# KiCad board output.Panel_R0.5.1_300x300_2layer_step1_Modified.kicad_pcb (continued)
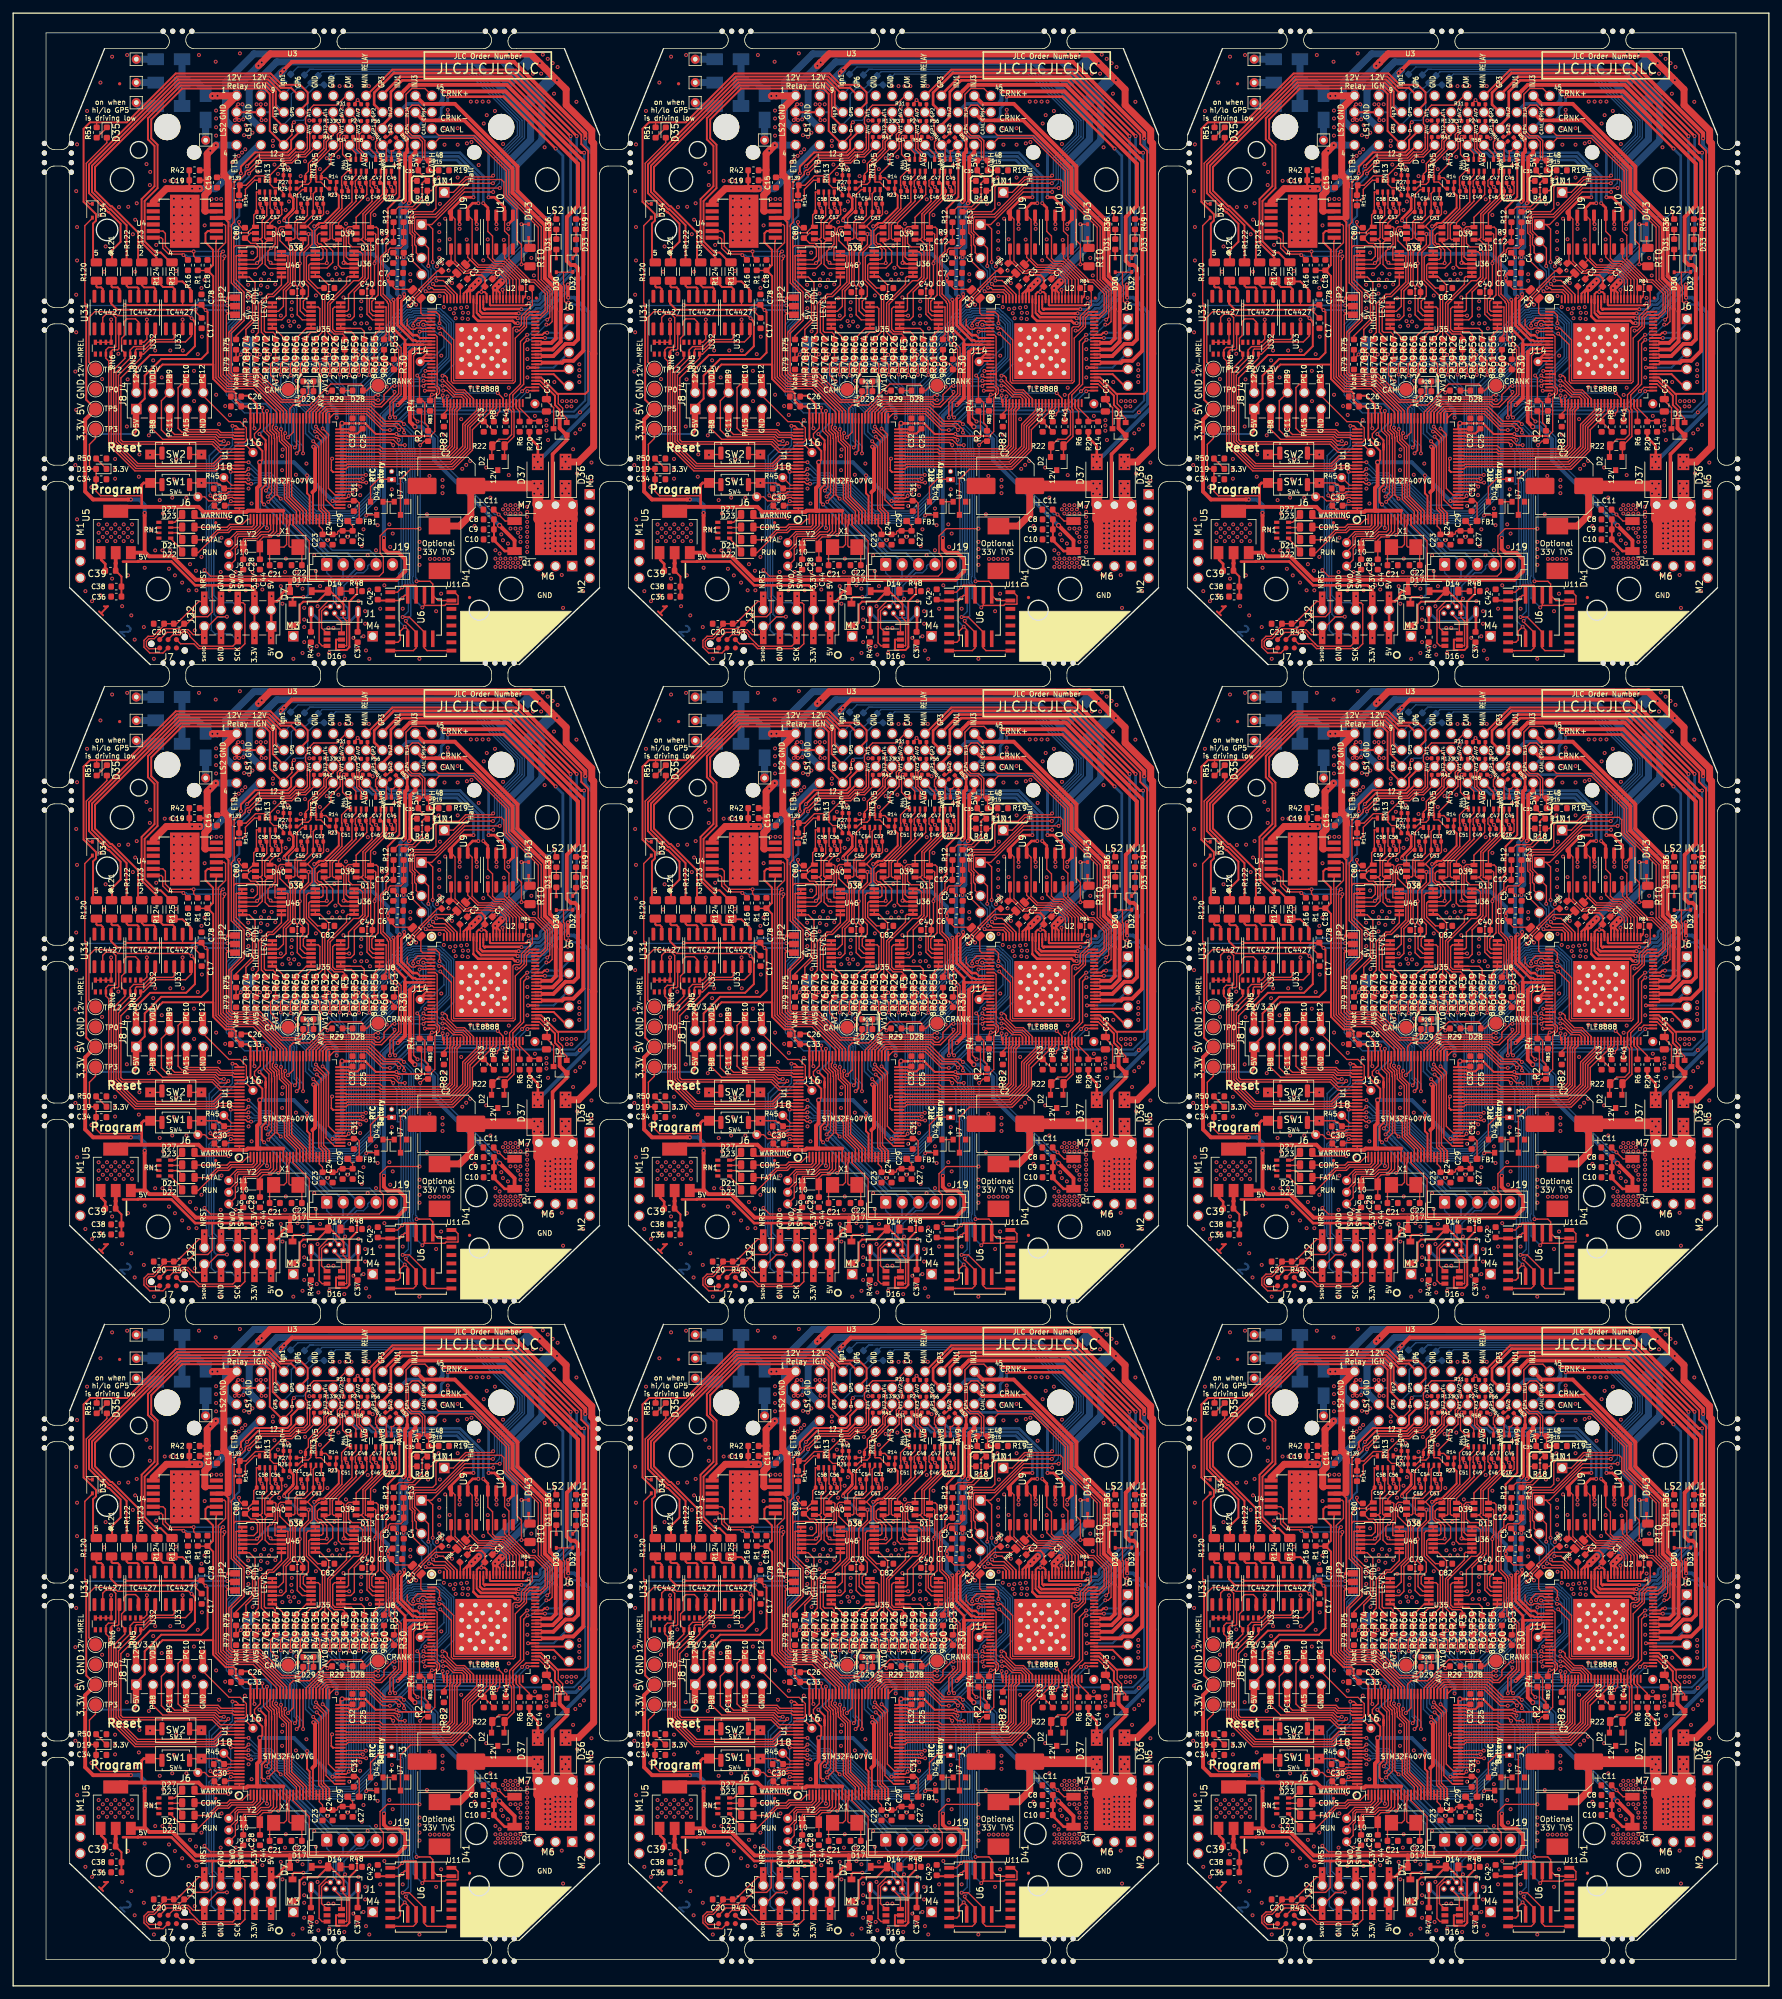
[diagram p0: board, top side]
## Placement (name value [footprint] x y rotation side) (continued)
U8#7  MCP6004  [TSSOP-14_4.4x5mm_P0.65mm]  222.77 60.01 180 top
U8#8  MCP6004  [TSSOP-14_4.4x5mm_P0.65mm]  137.77 60.01 180 top
U8#9  MCP6004  [TSSOP-14_4.4x5mm_P0.65mm]  52.77 60.01 180 top
U9  VNLD5090  [SO-8_3.9x4.9mm_P1.27mm]  68.5 266.7 90 top
U9#2  VNLD5090  [SO-8_3.9x4.9mm_P1.27mm]  153.5 266.7 90 top
U9#3  VNLD5090  [SO-8_3.9x4.9mm_P1.27mm]  238.5 266.7 90 top
U9#4  VNLD5090  [SO-8_3.9x4.9mm_P1.27mm]  68.5 169.7 90 top
U9#5  VNLD5090  [SO-8_3.9x4.9mm_P1.27mm]  238.5 169.7 90 top
U9#6  VNLD5090  [SO-8_3.9x4.9mm_P1.27mm]  153.5 169.7 90 top
U9#7  VNLD5090  [SO-8_3.9x4.9mm_P1.27mm]  68.5 72.7 90 top
U9#8  VNLD5090  [SO-8_3.9x4.9mm_P1.27mm]  238.5 72.7 90 top
U9#9  VNLD5090  [SO-8_3.9x4.9mm_P1.27mm]  153.5 72.7 90 top
U10  VNLD5090  [SO-8_3.9x4.9mm_P1.27mm]  74.1 266.7 90 top
U10#2  VNLD5090  [SO-8_3.9x4.9mm_P1.27mm]  159.1 266.7 90 top
U10#3  VNLD5090  [SO-8_3.9x4.9mm_P1.27mm]  244.1 266.7 90 top
U10#4  VNLD5090  [SO-8_3.9x4.9mm_P1.27mm]  74.1 169.7 90 top
U10#5  VNLD5090  [SO-8_3.9x4.9mm_P1.27mm]  244.1 169.7 90 top
U10#6  VNLD5090  [SO-8_3.9x4.9mm_P1.27mm]  159.1 169.7 90 top
U10#7  VNLD5090  [SO-8_3.9x4.9mm_P1.27mm]  74.1 72.7 90 top
U10#8  VNLD5090  [SO-8_3.9x4.9mm_P1.27mm]  244.1 72.7 90 top
U10#9  VNLD5090  [SO-8_3.9x4.9mm_P1.27mm]  159.1 72.7 90 top
U11  IS25LP256D-xM  [SOIC-16W_7.5x10.3mm_P1.27mm]  62 207.5 0 top
U11#2  IS25LP256D-xM  [SOIC-16W_7.5x10.3mm_P1.27mm]  147 207.5 0 top
U11#3  IS25LP256D-xM  [SOIC-16W_7.5x10.3mm_P1.27mm]  232 207.5 0 top
U11#4  IS25LP256D-xM  [SOIC-16W_7.5x10.3mm_P1.27mm]  147 110.5 0 top
U11#5  IS25LP256D-xM  [SOIC-16W_7.5x10.3mm_P1.27mm]  232 110.5 0 top
U11#6  IS25LP256D-xM  [SOIC-16W_7.5x10.3mm_P1.27mm]  62 110.5 0 top
U11#7  IS25LP256D-xM  [SOIC-16W_7.5x10.3mm_P1.27mm]  232 13.5 0 top
U11#8  IS25LP256D-xM  [SOIC-16W_7.5x10.3mm_P1.27mm]  147 13.5 0 top
U11#9  IS25LP256D-xM  [SOIC-16W_7.5x10.3mm_P1.27mm]  62 13.5 0 top
U31  MIC4427  [SOIC-8_3.9x4.9mm_P1.27mm]  14.26 254.47 90 top
U31#2  MIC4427  [SOIC-8_3.9x4.9mm_P1.27mm]  99.26 254.47 90 top
U31#3  MIC4427  [SOIC-8_3.9x4.9mm_P1.27mm]  184.26 254.47 90 top
U31#4  MIC4427  [SOIC-8_3.9x4.9mm_P1.27mm]  14.26 157.47 90 top
U31#5  MIC4427  [SOIC-8_3.9x4.9mm_P1.27mm]  184.26 157.47 90 top
U31#6  MIC4427  [SOIC-8_3.9x4.9mm_P1.27mm]  99.26 157.47 90 top
U31#7  MIC4427  [SOIC-8_3.9x4.9mm_P1.27mm]  184.26 60.47 90 top
U31#8  MIC4427  [SOIC-8_3.9x4.9mm_P1.27mm]  99.26 60.47 90 top
U31#9  MIC4427  [SOIC-8_3.9x4.9mm_P1.27mm]  14.26 60.47 90 top
U32  MIC4427  [SOIC-8_3.9x4.9mm_P1.27mm]  19.7 254.47 90 top
U32#2  MIC4427  [SOIC-8_3.9x4.9mm_P1.27mm]  104.7 254.47 90 top
U32#3  MIC4427  [SOIC-8_3.9x4.9mm_P1.27mm]  189.7 254.47 90 top
U32#4  MIC4427  [SOIC-8_3.9x4.9mm_P1.27mm]  189.7 157.47 90 top
U32#5  MIC4427  [SOIC-8_3.9x4.9mm_P1.27mm]  104.7 157.47 90 top
U32#6  MIC4427  [SOIC-8_3.9x4.9mm_P1.27mm]  19.7 157.47 90 top
U32#7  MIC4427  [SOIC-8_3.9x4.9mm_P1.27mm]  189.7 60.47 90 top
U32#8  MIC4427  [SOIC-8_3.9x4.9mm_P1.27mm]  104.7 60.47 90 top
U32#9  MIC4427  [SOIC-8_3.9x4.9mm_P1.27mm]  19.7 60.47 90 top
U33  MIC4427  [SOIC-8_3.9x4.9mm_P1.27mm]  25.13 254.47 90 top
U33#2  MIC4427  [SOIC-8_3.9x4.9mm_P1.27mm]  110.13 254.47 90 top
U33#3  MIC4427  [SOIC-8_3.9x4.9mm_P1.27mm]  195.13 254.47 90 top
U33#4  MIC4427  [SOIC-8_3.9x4.9mm_P1.27mm]  195.13 157.47 90 top
U33#5  MIC4427  [SOIC-8_3.9x4.9mm_P1.27mm]  110.13 157.47 90 top
U33#6  MIC4427  [SOIC-8_3.9x4.9mm_P1.27mm]  25.13 157.47 90 top
U33#7  MIC4427  [SOIC-8_3.9x4.9mm_P1.27mm]  195.13 60.47 90 top
U33#8  MIC4427  [SOIC-8_3.9x4.9mm_P1.27mm]  110.13 60.47 90 top
U33#9  MIC4427  [SOIC-8_3.9x4.9mm_P1.27mm]  25.13 60.47 90 top
U35  MCP6004  [TSSOP-14_4.4x5mm_P0.65mm]  42.36 254.01 180 top
U35#2  MCP6004  [TSSOP-14_4.4x5mm_P0.65mm]  127.36 254.01 180 top
U35#3  MCP6004  [TSSOP-14_4.4x5mm_P0.65mm]  212.36 254.01 180 top
U35#4  MCP6004  [TSSOP-14_4.4x5mm_P0.65mm]  42.36 157.01 180 top
U35#5  MCP6004  [TSSOP-14_4.4x5mm_P0.65mm]  212.36 157.01 180 top
U35#6  MCP6004  [TSSOP-14_4.4x5mm_P0.65mm]  127.36 157.01 180 top
U35#7  MCP6004  [TSSOP-14_4.4x5mm_P0.65mm]  42.36 60.01 180 top
U35#8  MCP6004  [TSSOP-14_4.4x5mm_P0.65mm]  212.36 60.01 180 top
U35#9  MCP6004  [TSSOP-14_4.4x5mm_P0.65mm]  127.36 60.01 180 top
U36  MCP6004  [TSSOP-14_4.4x5mm_P0.65mm]  48.89 261.88 0 top
U36#2  MCP6004  [TSSOP-14_4.4x5mm_P0.65mm]  133.89 261.88 0 top
U36#3  MCP6004  [TSSOP-14_4.4x5mm_P0.65mm]  218.89 261.88 0 top
U36#4  MCP6004  [TSSOP-14_4.4x5mm_P0.65mm]  133.89 164.88 0 top
U36#5  MCP6004  [TSSOP-14_4.4x5mm_P0.65mm]  218.89 164.88 0 top
U36#6  MCP6004  [TSSOP-14_4.4x5mm_P0.65mm]  48.89 164.88 0 top
U36#7  MCP6004  [TSSOP-14_4.4x5mm_P0.65mm]  218.89 67.88 0 top
U36#8  MCP6004  [TSSOP-14_4.4x5mm_P0.65mm]  133.89 67.88 0 top
U36#9  MCP6004  [TSSOP-14_4.4x5mm_P0.65mm]  48.89 67.88 0 top
U46  MCP6004  [TSSOP-14_4.4x5mm_P0.65mm]  37.85 261.82 0 top
U46#2  MCP6004  [TSSOP-14_4.4x5mm_P0.65mm]  122.85 261.82 0 top
U46#3  MCP6004  [TSSOP-14_4.4x5mm_P0.65mm]  207.85 261.82 0 top
U46#4  MCP6004  [TSSOP-14_4.4x5mm_P0.65mm]  122.85 164.82 0 top
U46#5  MCP6004  [TSSOP-14_4.4x5mm_P0.65mm]  207.85 164.82 0 top
U46#6  MCP6004  [TSSOP-14_4.4x5mm_P0.65mm]  37.85 164.82 0 top
U46#7  MCP6004  [TSSOP-14_4.4x5mm_P0.65mm]  207.85 67.82 0 top
U46#8  MCP6004  [TSSOP-14_4.4x5mm_P0.65mm]  122.85 67.82 0 top
U46#9  MCP6004  [TSSOP-14_4.4x5mm_P0.65mm]  37.85 67.82 0 top
X1  8MHz 20pF  [Crystal_SMD_5032-2Pin_5.0x3.2mm]  41.47 218.8 180 top
X1#2  8MHz 20pF  [Crystal_SMD_5032-2Pin_5.0x3.2mm]  126.47 218.8 180 top
X1#3  8MHz 20pF  [Crystal_SMD_5032-2Pin_5.0x3.2mm]  211.47 218.8 180 top
X1#4  8MHz 20pF  [Crystal_SMD_5032-2Pin_5.0x3.2mm]  211.47 121.8 180 top
X1#5  8MHz 20pF  [Crystal_SMD_5032-2Pin_5.0x3.2mm]  126.47 121.8 180 top
X1#6  8MHz 20pF  [Crystal_SMD_5032-2Pin_5.0x3.2mm]  41.47 121.8 180 top
X1#7  8MHz 20pF  [Crystal_SMD_5032-2Pin_5.0x3.2mm]  211.47 24.8 180 top
X1#8  8MHz 20pF  [Crystal_SMD_5032-2Pin_5.0x3.2mm]  126.47 24.8 180 top
X1#9  8MHz 20pF  [Crystal_SMD_5032-2Pin_5.0x3.2mm]  41.47 24.8 180 top
Y2  32768 Hz  [Crystal_SMD_3215-2Pin_3.2x1.5mm]  36.26 218.9 180 top
Y2#2  32768 Hz  [Crystal_SMD_3215-2Pin_3.2x1.5mm]  121.26 218.9 180 top
Y2#3  32768 Hz  [Crystal_SMD_3215-2Pin_3.2x1.5mm]  206.26 218.9 180 top
Y2#4  32768 Hz  [Crystal_SMD_3215-2Pin_3.2x1.5mm]  206.26 121.9 180 top
Y2#5  32768 Hz  [Crystal_SMD_3215-2Pin_3.2x1.5mm]  121.26 121.9 180 top
Y2#6  32768 Hz  [Crystal_SMD_3215-2Pin_3.2x1.5mm]  36.26 121.9 180 top
Y2#7  32768 Hz  [Crystal_SMD_3215-2Pin_3.2x1.5mm]  206.26 24.9 180 top
Y2#8  32768 Hz  [Crystal_SMD_3215-2Pin_3.2x1.5mm]  121.26 24.9 180 top
Y2#9  32768 Hz  [Crystal_SMD_3215-2Pin_3.2x1.5mm]  36.26 24.9 180 top

## Footprints (pads in the part's own frame, mm; a bottom-side part is the same pattern mirrored in y, then rotated)
C_0402_1005Metric
  rrect 0.59x0.64 smd: 1(-0.485,0) 2(0.485,0)
C_0603_1608Metric
  rrect 0.875x0.95 smd: 1(-0.788,0) 2(0.788,0)
C_0805_2012Metric
  rrect 0.975x1.4 smd: 1(-0.938,0) 2(0.938,0)
CP_Elec_8x10.5
  rrect 4.4x2.5 smd: 1(-3.7,0) 2(3.7,0)
Crystal_SMD_3215-2Pin_3.2x1.5mm
  rect 1x1.8 smd: 1(1.25,0) 2(-1.25,0)
Crystal_SMD_5032-2Pin_5.0x3.2mm
  rect 2x2.4 smd: 1(-1.85,0) 2(1.85,0)
D_SMA
  rect 2.5x1.8 smd: 1(-2,0) 2(2,0)
D_SMC
  rect 2.5x3.3 smd: 1(-3.4,0) 2(3.4,0)
D_SOD-123
  rect 0.9x1.2 smd: 1(-1.65,0) 2(1.65,0)
D_SOD-323
  rect 0.6x0.45 smd: 1(-1.05,0) 2(1.05,0)
Fiducial_0.5mm_Mask1mm
  round 0.5 smd: (0,0)
holes
  round 0.8 hole 0.8 unplated: (0,4.376) (0,2.917) (0,1.459) (0,0)
holes#2
  round 0.8 hole 0.8 unplated: (0,0) (1.458,0) (2.917,0) (4.375,0)
holes#3
  round 0.8 hole 0.8 unplated: (-4.375,0) (-2.917,0) (-1.458,0) (0,0)
holes#4
  round 0.8 hole 0.8 unplated: (0,0) (0,-1.459) (0,-2.917) (0,-4.376)
Infineon_PG-DSO-12-11
  rect 1.95x1.16 smd: (-1.125,2.92) (-1.125,1.46) (-1.125,0) (-1.125,-1.46) (-1.125,-2.92) (1.125,2.92) (1.125,1.46) (1.125,0) (1.125,-1.46) (1.125,-2.92)
  rect 2x0.65 smd: 1(-4.8,2.5) 2(-4.8,1.5) 3(-4.8,0.5) 4(-4.8,-0.5) 5(-4.8,-1.5) 6(-4.8,-2.5) 7(4.8,-2.5) 8(4.8,-1.5) 9(4.8,-0.5) 10(4.8,0.5) 11(4.8,1.5) 12(4.8,2.5)
  rect 4.5x8.1 smd: 13(0,0)
JST_EH_B5B-EH-A_1x05_P2.50mm_Vertical
  rrect 1.7x1.95 hole 0.95: 1(0,0)
  oval 1.7x1.95 hole 0.95: 2(2.5,0) 3(5,0) 4(7.5,0) 5(10,0)
LED_0603_1608Metric
  rrect 0.875x0.95 smd: 1(-0.787,0) 2(0.787,0)
LED_0805_2012Metric
  rrect 0.975x1.4 smd: 1(-0.938,0) 2(0.938,0)
LQFP-100_14x14mm_P0.5mm
  rrect 1.6x0.3 smd: 1(-7.675,6) 2(-7.675,5.5) 3(-7.675,5) 4(-7.675,4.5) 5(-7.675,4) 6(-7.675,3.5) 7(-7.675,3) 8(-7.675,2.5) 9(-7.675,2) 10(-7.675,1.5) 11(-7.675,1) 12(-7.675,0.5) 13(-7.675,0) 14(-7.675,-0.5) 15(-7.675,-1) 16(-7.675,-1.5) 17(-7.675,-2) 18(-7.675,-2.5) 19(-7.675,-3) 20(-7.675,-3.5) 21(-7.675,-4) 22(-7.675,-4.5) 23(-7.675,-5) 24(-7.675,-5.5) 25(-7.675,-6) 51(7.675,-6) 52(7.675,-5.5) 53(7.675,-5) 54(7.675,-4.5) 55(7.675,-4) 56(7.675,-3.5) 57(7.675,-3) 58(7.675,-2.5) 59(7.675,-2) 60(7.675,-1.5) 61(7.675,-1) 62(7.675,-0.5) 63(7.675,0) 64(7.675,0.5) 65(7.675,1) 66(7.675,1.5) 67(7.675,2) 68(7.675,2.5) 69(7.675,3) 70(7.675,3.5) 71(7.675,4) 72(7.675,4.5) 73(7.675,5) 74(7.675,5.5) 75(7.675,6)
  rrect 0.3x1.6 smd: 26(-6,-7.675) 27(-5.5,-7.675) 28(-5,-7.675) 29(-4.5,-7.675) 30(-4,-7.675) 31(-3.5,-7.675) 32(-3,-7.675) 33(-2.5,-7.675) 34(-2,-7.675) 35(-1.5,-7.675) 36(-1,-7.675) 37(-0.5,-7.675) 38(0,-7.675) 39(0.5,-7.675) 40(1,-7.675) 41(1.5,-7.675) 42(2,-7.675) 43(2.5,-7.675) 44(3,-7.675) 45(3.5,-7.675) 46(4,-7.675) 47(4.5,-7.675) 48(5,-7.675) 49(5.5,-7.675) 50(6,-7.675) 76(6,7.675) 77(5.5,7.675) 78(5,7.675) 79(4.5,7.675) 80(4,7.675) 81(3.5,7.675) 82(3,7.675) 83(2.5,7.675) 84(2,7.675) 85(1.5,7.675) 86(1,7.675) 87(0.5,7.675) 88(0,7.675) 89(-0.5,7.675) 90(-1,7.675) 91(-1.5,7.675) 92(-2,7.675) 93(-2.5,7.675) 94(-3,7.675) 95(-3.5,7.675) 96(-4,7.675) 97(-4.5,7.675) 98(-5,7.675) 99(-5.5,7.675) 100(-6,7.675)
LQFP-100_14x14mm_P0.5mm_THERMAL
  rrect 1.25x0.3 smd: 1(-7.9,6) 2(-7.9,5.5) 3(-7.9,5) 4(-7.9,4.5) 5(-7.9,4) 6(-7.9,3.5) 7(-7.9,3) 8(-7.9,2.5) 9(-7.9,2) 10(-7.9,1.5) 11(-7.9,1) 12(-7.9,0.5) 13(-7.9,0) 14(-7.9,-0.5) 15(-7.9,-1) 16(-7.9,-1.5) 17(-7.9,-2) 18(-7.9,-2.5) 19(-7.9,-3) 20(-7.9,-3.5) 21(-7.9,-4) 22(-7.9,-4.5) 23(-7.9,-5) 24(-7.9,-5.5) 25(-7.9,-6) 51(7.9,-6) 52(7.9,-5.5) 53(7.9,-5) 54(7.9,-4.5) 55(7.9,-4) 56(7.9,-3.5) 57(7.9,-3) 58(7.9,-2.5) 59(7.9,-2) 60(7.9,-1.5) 61(7.9,-1) 62(7.9,-0.5) 63(7.9,0) 64(7.9,0.5) 65(7.9,1) 66(7.9,1.5) 67(7.9,2) 68(7.9,2.5) 69(7.9,3) 70(7.9,3.5) 71(7.9,4) 72(7.9,4.5) 73(7.9,5) 74(7.9,5.5) 75(7.9,6)
  rrect 0.3x1.25 smd: 26(-6,-7.9) 27(-5.5,-7.9) 28(-5,-7.9) 29(-4.5,-7.9) 30(-4,-7.9) 31(-3.5,-7.9) 32(-3,-7.9) 33(-2.5,-7.9) 34(-2,-7.9) 35(-1.5,-7.9) 36(-1,-7.9) 37(-0.5,-7.9) 38(0,-7.9) 39(0.5,-7.9) 40(1,-7.9) 41(1.5,-7.9) 42(2,-7.9) 43(2.5,-7.9) 44(3,-7.9) 45(3.5,-7.9) 46(4,-7.9) 47(4.5,-7.9) 48(5,-7.9) 49(5.5,-7.9) 50(6,-7.9) 76(6,7.9) 77(5.5,7.9) 78(5,7.9) 79(4.5,7.9) 80(4,7.9) 81(3.5,7.9) 82(3,7.9) 83(2.5,7.9) 84(2,7.9) 85(1.5,7.9) 86(1,7.9) 87(0.5,7.9) 88(0,7.9) 89(-0.5,7.9) 90(-1,7.9) 91(-1.5,7.9) 92(-2,7.9) 93(-2.5,7.9) 94(-3,7.9) 95(-3.5,7.9) 96(-4,7.9) 97(-4.5,7.9) 98(-5,7.9) 99(-5.5,7.9) 100(-6,7.9)
  round 1 hole 0.7: 101(-3.302,3.302) 101(-3.302,1.016) 101(-3.302,-1.27) 101(-3.302,-3.302) 101(-2.2,0) 101(-2.032,2.032) 101(-2.032,-2.032) 101(-1.2,3.3) 101(-1.2,-3.302) 101(-0.986,1.011) 101(-0.897,-0.968) 101(-0.1,2.1) 101(0,-2.25) 101(0.17,0.023) 101(1,3.3) 101(1.125,1.074) 101(1.2,-3.35) 101(1.29,-1.107) 101(2.2,2.2) 101(2.2,0) 101(2.2,-2.25) 101(3.2,-1.4) 101(3.3,1.1) 101(3.302,3.302) 101(3.302,-3.302)
  rect 8.5x8.5 smd: 101(0,0)
  rect 8.5x8.5 smd far side: 101(0,0)
Molex_48_MRE
  round 4 hole 4: (-10.511,-4.753) (40.289,-4.753)
  round 2.2 hole 2.2: (-6.411,-8.603) (36.189,-8.603)
  round 1.6 hole 1.15: 1(0.039,-0.003) 2(0.039,-2.503) 3(0.039,-5.003) 4(0.039,-7.503) 5(3.739,-0.003) 6(3.739,-2.503) 7(3.739,-5.003) 8(3.739,-7.503) 9(7.239,-0.003) 10(7.239,-2.503) 11(7.239,-5.003) 12(7.239,-7.503) 13(9.739,-0.003) 14(9.739,-2.503) 15(9.739,-5.003) 16(9.739,-7.503) 17(12.239,-0.003) 18(12.239,-2.503) 19(12.239,-5.003) 20(12.239,-7.503) 21(14.739,-0.003) 22(14.739,-2.503) 23(14.739,-5.003) 24(14.739,-7.503) 25(17.239,-0.003) 26(17.239,-2.503) 27(17.239,-5.003) 28(17.239,-7.503) 29(19.739,-0.003) 30(19.739,-2.503) 31(19.739,-5.003) 32(19.739,-7.503) 33(22.239,-0.003) 34(22.239,-2.503) 35(22.239,-5.003) 36(22.239,-7.503) 37(24.739,-0.003) 38(24.739,-2.503) 39(24.739,-5.003) 40(24.739,-7.503) 41(27.239,-0.003) 42(27.239,-2.503) 43(27.239,-5.003) 44(27.239,-7.503) 45(29.739,-0.003) 46(29.739,-2.503) 47(29.739,-5.003) 48(29.739,-7.503) J52(28.169,-22.121) J53(28.169,-24.661) J54(28.169,-27.201) J62(50.59,-36.474) J63(50.59,-39.014) J64(50.59,-41.554) J65(50.59,-44.094) J202(5.304,-78.153) J203(2.764,-80.693) J204(2.764,-78.153) J205(0.224,-80.693) J206(0.224,-78.153) J207(-2.316,-80.693) J208(-2.316,-78.153) J209(-4.856,-80.693) J210(-4.856,-78.153) J802(-15.202,-45.11) J803(-12.662,-47.65) J804(-12.662,-45.11) J805(-10.122,-47.65) J806(-10.122,-45.11) J807(-7.582,-47.65) J808(-7.582,-45.11) J809(-5.042,-47.65) J810(-5.042,-45.11) M12(-23.724,-70.764) M13(-23.724,-73.304) M22(53.746,-70.764) M23(53.746,-73.304) M52(53.746,-63.144) M53(53.746,-65.684) M62(48.539,-71.526) M63(45.999,-71.526) M72(48.539,-62.255) M73(45.999,-62.255)
  round 1.4 hole 0.7: J6(-5.842,-60.985) J9(-1.143,-71.526) J10(-1.143,-69.748) J11(-1.143,-67.97) J14(27.965,-40.434) J16(2.54,-54.254) J18(-1.905,-58.064)
  rect 1.3x0.8 hole 0.5: J31(23.622,-58.369)
  round 1.3 hole 0.5: J32(23.622,-57.125)
  rect 1.6x1.6 hole 1.15: J51(28.169,-19.581) J61(50.59,-33.934) J201(5.304,-80.693) J801(-15.202,-47.65) LIN1(31.623,-14.681) M3(8.661,-82.194) M4(20.726,-82.194) M11(-23.724,-68.224) M21(53.746,-68.224) M51(53.746,-60.604) M61(51.079,-71.526) M71(51.079,-62.255)
Net-Tie_2_8.5mil
  round 0.216 smd: 1(-0.216,0) 2(0.216,0)
NetTie-2_SMD_Pad0.5mm
  round 0.5 smd: 1(-0.5,0) 2(0.5,0)
Pin_D0.7mm_L6.5mm_W1.8mm_FlatFork
  round 1.4 hole 0.7: 1(0,0)
PinHeader_2x05_P2.54mm_Vertical_SMD
  rect 3.15x1 smd: 1(-2.525,5.08) 2(2.525,5.08) 3(-2.525,2.54) 4(2.525,2.54) 5(-2.525,0) 6(2.525,0) 7(-2.525,-2.54) 8(2.525,-2.54) 9(-2.525,-5.08) 10(2.525,-5.08)
PinSocket_2x05_P2.54mm_Vertical_SMD
  rect 3x1 smd: 1(2.52,5.08) 2(-2.52,5.08) 3(2.52,2.54) 4(-2.52,2.54) 5(2.52,0) 6(-2.52,0) 7(2.52,-2.54) 8(-2.52,-2.54) 9(2.52,-5.08) 10(-2.52,-5.08)
R_0402_1005Metric
  rrect 0.59x0.64 smd: 1(-0.485,0) 2(0.485,0)
R_0603_1608Metric
  rrect 0.875x0.95 smd: 1(-0.787,0) 2(0.787,0)
R_0603_1608Metric_Pad1.05x0.95mm_HandSolder
  rrect 1.05x0.95 smd: 1(-0.875,0) 2(0.875,0)
R_0805_2012Metric
  rrect 0.975x1.4 smd: 1(-0.938,0) 2(0.938,0)
R_1206_3216Metric
  rrect 1.25x1.75 smd: 1(-1.4,0) 2(1.4,0)
R_Array_Convex_4x0603
  rect 0.8x0.5 smd: 1(-0.9,1.2) 4(-0.9,-1.2) 5(0.9,-1.2) 8(0.9,1.2)
  rect 0.8x0.4 smd: 2(-0.9,0.4) 3(-0.9,-0.4) 6(0.9,-0.4) 7(0.9,0.4)
SO-8_3.9x4.9mm_P1.27mm
  rrect 1.75x0.6 smd: 1(-2.575,1.905) 2(-2.575,0.635) 3(-2.575,-0.635) 4(-2.575,-1.905) 5(2.575,-1.905) 6(2.575,-0.635) 7(2.575,0.635) 8(2.575,1.905)
SO-8_5.3x6.2mm_P1.27mm-150+208
  rect 2.54x0.55 smd: 1(-3.302,1.905) 2(-3.302,0.635) 3(-3.302,-0.635) 4(-3.302,-1.905) 5(3.302,-1.905) 6(3.302,-0.635) 7(3.302,0.635) 8(3.302,1.905)
SOIC-8_3.9x4.9mm_P1.27mm
  rrect 1.95x0.6 smd: 1(-2.475,1.905) 2(-2.475,0.635) 3(-2.475,-0.635) 4(-2.475,-1.905) 5(2.475,-1.905) 6(2.475,-0.635) 7(2.475,0.635) 8(2.475,1.905)
SOIC-16W_7.5x10.3mm_P1.27mm
  rect 1.5x0.6 smd: 1(-4.65,4.445) 2(-4.65,3.175) 3(-4.65,1.905) 4(-4.65,0.635) 5(-4.65,-0.635) 6(-4.65,-1.905) 7(-4.65,-3.175) 8(-4.65,-4.445) 9(4.65,-4.445) 10(4.65,-3.175) 11(4.65,-1.905) 12(4.65,-0.635) 13(4.65,0.635) 14(4.65,1.905) 15(4.65,3.175) 16(4.65,4.445)
SolderJumper-3_P1.3mm_Open_Pad1.0x1.5mm
  rect 1x1.5 smd: 1(-1.3,0) 2(0,0) 3(1.3,0)
SOT-23
  rect 0.9x0.8 smd: 1(-1,0.95) 2(-1,-0.95) 3(1,0)
SOT-23-6
  rect 1.06x0.65 smd: 1(-1.1,0.95) 2(-1.1,0) 3(-1.1,-0.95) 4(1.1,-0.95) 5(1.1,0) 6(1.1,0.95)
SOT-223-3_TabPin2
  rect 2x1.5 smd: 1(-3.15,2.3) 2(-3.15,0) 3(-3.15,-2.3)
  rect 2x3.8 smd: 2(3.15,0)
SW_Push_SPST_NO_Alps_SKRK
  rrect 0.8x2 smd: 1(-2.1,0) 2(2.1,0)
SW_SPST_CK_RS282G05A3
  rect 1.5x1.5 smd: 1(-3.9,0) 2(3.9,0)
Tag-Connect_TC2030-IDC-NL_2x03_P1.27mm_Vertical
  round 0.991 hole 0.991 unplated: (-2.54,0) (2.54,1.016) (2.54,-1.016)
  round 0.787 smd: 1(-1.27,-0.635) 2(-1.27,0.635) 3(0,-0.635) 4(0,0.635) 5(1.27,-0.635) 6(1.27,0.635)
TestPoint_Pad_D2.0mm
  round 2 smd: 1(0,0)
TO-252-2
  rect 3.05x2.75 smd: (0.425,1.525) (0.425,-1.525) (3.775,1.525) (3.775,-1.525)
  rect 2.2x1.2 smd: 1(-4.2,2.28) 3(-4.2,-2.28)
  rect 6.4x5.8 smd: 2(2.1,0)
TSSOP-14_4.4x5mm_P0.65mm
  rect 1.45x0.45 smd: 1(-2.95,1.95) 2(-2.95,1.3) 3(-2.95,0.65) 4(-2.95,0) 5(-2.95,-0.65) 6(-2.95,-1.3) 7(-2.95,-1.95) 8(2.95,-1.95) 9(2.95,-1.3) 10(2.95,-0.65) 11(2.95,0) 12(2.95,0.65) 13(2.95,1.3) 14(2.95,1.95)
USB_Micro-B_Wuerth_614105150721_Vertical
  rect 0.84x0.84 hole 0.44: 1(0,0)
  round 0.84 hole 0.44: 2(0.65,-1) 3(1.3,0) 4(1.95,-1) 5(2.6,0)
  oval 0.85x1.85 hole 0.35x1.35: 6(-2.275,-0.22) 6(4.875,-0.22)

## Nets
/5V: C6.1 C6#2.1 C6#3.1 C6#4.1 C6#5.1 C6#6.1 C6#7.1 C6#8.1 C6#9.1 C7.1 C7#2.1 C7#3.1 C7#4.1 C7#5.1 C7#6.1 C7#7.1 C7#8.1 C7#9.1 C40.1 C40#2.1 C40#3.1 C40#4.1 C40#5.1 C40#6.1 C40#7.1 C40#8.1 C40#9.1 C41.1 C41#2.1 C41#3.1 C41#4.1 C41#5.1 C41#6.1 C41#7.1 C41#8.1 C41#9.1 C78.1 C78#2.1 C78#3.1 C78#4.1 C78#5.1 C78#6.1 C78#7.1 C78#8.1 C78#9.1 C79.1 C79#2.1 C79#3.1 C79#4.1 C79#5.1 C79#6.1 C79#7.1 C79#8.1 C79#9.1 C80.1 C80#2.1 C80#3.1 C80#4.1 C80#5.1 C80#6.1 C80#7.1 C80#8.1 C80#9.1 C82.1 C82#2.1 C82#3.1 C82#4.1 C82#5.1 C82#6.1 C82#7.1 C82#8.1 C82#9.1 D13.5 D13#2.5 D13#3.5 D13#4.5 D13#5.5 D13#6.5 D13#7.5 D13#8.5 D13#9.5 D16.5 D16#2.5 D16#3.5 D16#4.5 D16#5.5 D16#6.5 D16#7.5 D16#8.5 D16#9.5 D17.1 D17#2.1 D17#3.1 D17#4.1 D17#5.1 D17#6.1 D17#7.1 D17#8.1 D17#9.1 D29.2 D29#2.2 D29#3.2 D29#4.2 D29#5.2 D29#6.2 D29#7.2 D29#8.2 D29#9.2 D30.2 D30#2.2 D30#3.2 D30#4.2 D30#5.2 D30#6.2 D30#7.2 D30#8.2 D30#9.2 D32.2 D32#2.2 D32#3.2 D32#4.2 D32#5.2 D32#6.2 D32#7.2 D32#8.2 D32#9.2 D34.2 D34#2.2 D34#3.2 D34#4.2 D34#5.2 D34#6.2 D34#7.2 D34#8.2 D34#9.2 D38.5 D38#2.5 D38#3.5 D38#4.5 D38#5.5 D38#6.5 D38#7.5 D38#8.5 D38#9.5 D39.5 D39#2.5 D39#3.5 D39#4.5 D39#5.5 D39#6.5 D39#7.5 D39#8.5 D39#9.5 D40.5 D40#2.5 D40#3.5 D40#4.5 D40#5.5 D40#6.5 D40#7.5 D40#8.5 D40#9.5 J2.1 J2.2 J2#2.1 J2#2.2 J2#3.1 J2#3.2 J2#4.1 J2#4.2 J2#5.1 J2#5.2 J2#6.1 J2#6.2 J2#7.1 J2#7.2 J2#8.1 J2#8.2 J2#9.1 J2#9.2 J4.1 J4#2.1 J4#3.1 J4#4.1 J4#5.1 J4#6.1 J4#7.1 J4#8.1 J4#9.1 JP2.1 JP2#2.1 JP2#3.1 JP2#4.1 JP2#5.1 JP2#6.1 JP2#7.1 JP2#8.1 JP2#9.1 R3.2 R3#2.2 R3#3.2 R3#4.2 R3#5.2 R3#6.2 R3#7.2 R3#8.2 R3#9.2 R7.1 R7#2.1 R7#3.1 R7#4.1 R7#5.1 R7#6.1 R7#7.1 R7#8.1 R7#9.1 R11.2 R11#2.2 R11#3.2 R11#4.2 R11#5.2 R11#6.2 R11#7.2 R11#8.2 R11#9.2 R14.2 R14#2.2 R14#3.2 R14#4.2 R14#5.2 R14#6.2 R14#7.2 R14#8.2 R14#9.2 R23.2 R23#2.2 R23#3.2 R23#4.2 R23#5.2 R23#6.2 R23#7.2 R23#8.2 R23#9.2 R25.2 R25#2.2 R25#3.2 R25#4.2 R25#5.2 R25#6.2 R25#7.2 R25#8.2 R25#9.2 R27.2 R27#2.2 R27#3.2 R27#4.2 R27#5.2 R27#6.2 R27#7.2 R27#8.2 R27#9.2 R40.2 R40#2.2 R40#3.2 R40#4.2 R40#5.2 R40#6.2 R40#7.2 R40#8.2 R40#9.2 TP5.1 TP5#2.1 TP5#3.1 TP5#4.1 TP5#5.1 TP5#6.1 TP5#7.1 TP5#8.1 TP5#9.1 U2.11 U2.45 U2#2.11 U2#2.45 U2#3.11 U2#3.45 U2#4.11 U2#4.45 U2#5.11 U2#5.45 U2#6.11 U2#6.45 U2#7.11 U2#7.45 U2#8.11 U2#8.45 U2#9.11 U2#9.45 U3.J201 U3.J202 U3.J801 U3#2.J201 U3#2.J202 U3#2.J801 U3#3.J201 U3#3.J202 U3#3.J801 U3#4.J201 U3#4.J202 U3#4.J801 U3#5.J201 U3#5.J202 U3#5.J801 U3#6.J201 U3#6.J202 U3#6.J801 U3#7.J201 U3#7.J202 U3#7.J801 U3#8.J201 U3#8.J202 U3#8.J801 U3#9.J201 U3#9.J202 U3#9.J801 U5.3 U5#2.3 U5#3.3 U5#4.3 U5#5.3 U5#6.3 U5#7.3 U5#8.3 U5#9.3 U8.4 U8#2.4 U8#3.4 U8#4.4 U8#5.4 U8#6.4 U8#7.4 U8#8.4 U8#9.4 U32.6 U32#2.6 U32#3.6 U32#4.6 U32#5.6 U32#6.6 U32#7.6 U32#8.6 U32#9.6 U33.6 U33#2.6 U33#3.6 U33#4.6 U33#5.6 U33#6.6 U33#7.6 U33#8.6 U33#9.6 U35.4 U35#2.4 U35#3.4 U35#4.4 U35#5.4 U35#6.4 U35#7.4 U35#8.4 U35#9.4 U36.4 U36#2.4 U36#3.4 U36#4.4 U36#5.4 U36#6.4 U36#7.4 U36#8.4 U36#9.4 U46.4 U46#2.4 U46#3.4 U46#4.4 U46#5.4 U46#6.4 U46#7.4 U46#8.4 U46#9.4
/5V1: C4.1 C4#2.1 C4#3.1 C4#4.1 C4#5.1 C4#6.1 C4#7.1 C4#8.1 C4#9.1 R17.1 R17#2.1 R17#3.1 R17#4.1 R17#5.1 R17#6.1 R17#7.1 R17#8.1 R17#9.1 R18.1 R18#2.1 R18#3.1 R18#4.1 R18#5.1 R18#6.1 R18#7.1 R18#8.1 R18#9.1 U2.9 U2#2.9 U2#3.9 U2#4.9 U2#5.9 U2#6.9 U2#7.9 U2#8.9 U2#9.9 U3.44 U3#2.44 U3#3.44 U3#4.44 U3#5.44 U3#6.44 U3#7.44 U3#8.44 U3#9.44
/5V2: C5.1 C5#2.1 C5#3.1 C5#4.1 C5#5.1 C5#6.1 C5#7.1 C5#8.1 C5#9.1 U2.10 U2#2.10 U2#3.10 U2#4.10 U2#5.10 U2#6.10 U2#7.10 U2#8.10 U2#9.10 U3.39 U3#2.39 U3#3.39 U3#4.39 U3#5.39 U3#6.39 U3#7.39 U3#8.39 U3#9.39
/12V_KEY: D37.2 D37#2.2 D37#3.2 D37#4.2 D37#5.2 D37#6.2 D37#7.2 D37#8.2 D37#9.2 R20.2 R20#2.2 R20#3.2 R20#4.2 R20#5.2 R20#6.2 R20#7.2 R20#8.2 R20#9.2 U3.5 U3#2.5 U3#3.5 U3#4.5 U3#5.5 U3#6.5 U3#7.5 U3#8.5 U3#9.5
/12V_MREL: C15.1 C15#2.1 C15#3.1 C15#4.1 C15#5.1 C15#6.1 C15#7.1 C15#8.1 C15#9.1 D3.1 D3#2.1 D3#3.1 D3#4.1 D3#5.1 D3#6.1 D3#7.1 D3#8.1 D3#9.1 D4.1 D4#2.1 D4#3.1 D4#4.1 D4#5.1 D4#6.1 D4#7.1 D4#8.1 D4#9.1 D5.1 D5#2.1 D5#3.1 D5#4.1 D5#5.1 D5#6.1 D5#7.1 D5#8.1 D5#9.1 D6.1 D6#2.1 D6#3.1 D6#4.1 D6#5.1 D6#6.1 D6#7.1 D6#8.1 D6#9.1 D15.1 D15#2.1 D15#3.1 D15#4.1 D15#5.1 D15#6.1 D15#7.1 D15#8.1 D15#9.1 D20.1 D20#2.1 D20#3.1 D20#4.1 D20#5.1 D20#6.1 D20#7.1 D20#8.1 D20#9.1 D36.2 D36#2.2 D36#3.2 D36#4.2 D36#5.2 D36#6.2 D36#7.2 D36#8.2 D36#9.2 J4.2 J4#2.2 J4#3.2 J4#4.2 J4#5.2 J4#6.2 J4#7.2 J4#8.2 J4#9.2 JP2.3 JP2#2.3 JP2#3.3 JP2#4.3 JP2#5.3 JP2#6.3 JP2#7.3 JP2#8.3 JP2#9.3 R139.2 R139#2.2 R139#3.2 R139#4.2 R139#5.2 R139#6.2 R139#7.2 R139#8.2 R139#9.2 TP12.1 TP12#2.1 TP12#3.1 TP12#4.1 TP12#5.1 TP12#6.1 TP12#7.1 TP12#8.1 TP12#9.1 U3.1 U3.J802 U3#2.1 U3#2.J802 U3#3.1 U3#3.J802 U3#4.1 U3#4.J802 U3#5.1 U3#5.J802 U3#6.1 U3#6.J802 U3#7.1 U3#7.J802 U3#8.1 U3#8.J802 U3#9.1 U3#9.J802 U4.4 U4#2.4 U4#3.4 U4#4.4 U4#5.4 U4#6.4 U4#7.4 U4#8.4 U4#9.4
/12V_SAFE: C1.1 C1#2.1 C1#3.1 C1#4.1 C1#5.1 C1#6.1 C1#7.1 C1#8.1 C1#9.1 C2.1 C2#2.1 C2#3.1 C2#4.1 C2#5.1 C2#6.1 C2#7.1 C2#8.1 C2#9.1 C3.1 C3#2.1 C3#3.1 C3#4.1 C3#5.1 C3#6.1 C3#7.1 C3#8.1 C3#9.1 D1.1 D1#2.1 D1#3.1 D1#4.1 D1#5.1 D1#6.1 D1#7.1 D1#8.1 D1#9.1 D36.1 D36#2.1 D36#3.1 D36#4.1 D36#5.1 D36#6.1 D36#7.1 D36#8.1 D36#9.1 D37.1 D37#2.1 D37#3.1 D37#4.1 D37#5.1 D37#6.1 D37#7.1 D37#8.1 D37#9.1 D41.1 D41#2.1 D41#3.1 D41#4.1 D41#5.1 D41#6.1 D41#7.1 D41#8.1 D41#9.1 D43.2 D43#2.2 D43#3.2 D43#4.2 D43#5.2 D43#6.2 D43#7.2 D43#8.2 D43#9.2 Q1.2 Q1#2.2 Q1#3.2 Q1#4.2 Q1#5.2 Q1#6.2 Q1#7.2 Q1#8.2 Q1#9.2 U2.54 U2.87 U2.90 U2#2.54 U2#2.87 U2#2.90 U2#3.54 U2#3.87 U2#3.90 U2#4.54 U2#4.87 U2#4.90 U2#5.54 U2#5.87 U2#5.90 U2#6.54 U2#6.87 U2#6.90 U2#7.54 U2#7.87 U2#7.90 U2#8.54 U2#8.87 U2#8.90 U2#9.54 U2#9.87 U2#9.90 U3.M71 U3.M72 U3.M73 U3#2.M71 U3#2.M72 U3#2.M73 U3#3.M71 U3#3.M72 U3#3.M73 U3#4.M71 U3#4.M72 U3#4.M73 U3#5.M71 U3#5.M72 U3#5.M73 U3#6.M71 U3#6.M72 U3#6.M73 U3#7.M71 U3#7.M72 U3#7.M73 U3#8.M71 U3#8.M72 U3#8.M73 U3#9.M71 U3#9.M72 U3#9.M73
/ADC/AGND: NT3.2 NT3#2.2 NT3#3.2 NT3#4.2 NT3#5.2 NT3#6.2 NT3#7.2 NT3#8.2 NT3#9.2 R38.1 R38#2.1 R38#3.1 R38#4.1 R38#5.1 R38#6.1 R38#7.1 R38#8.1 R38#9.1 R39.1 R39#2.1 R39#3.1 R39#4.1 R39#5.1 R39#6.1 R39#7.1 R39#8.1 R39#9.1 R44.1 R44#2.1 R44#3.1 R44#4.1 R44#5.1 R44#6.1 R44#7.1 R44#8.1 R44#9.1 R46.1 R46#2.1 R46#3.1 R46#4.1 R46#5.1 R46#6.1 R46#7.1 R46#8.1 R46#9.1 R60.1 R60#2.1 R60#3.1 R60#4.1 R60#5.1 R60#6.1 R60#7.1 R60#8.1 R60#9.1 R61.1 R61#2.1 R61#3.1 R61#4.1 R61#5.1 R61#6.1 R61#7.1 R61#8.1 R61#9.1 R62.1 R62#2.1 R62#3.1 R62#4.1 R62#5.1 R62#6.1 R62#7.1 R62#8.1 R62#9.1 R63.1 R63#2.1 R63#3.1 R63#4.1 R63#5.1 R63#6.1 R63#7.1 R63#8.1 R63#9.1 R68.1 R68#2.1 R68#3.1 R68#4.1 R68#5.1 R68#6.1 R68#7.1 R68#8.1 R68#9.1 R69.1 R69#2.1 R69#3.1 R69#4.1 R69#5.1 R69#6.1 R69#7.1 R69#8.1 R69#9.1 R70.1 R70#2.1 R70#3.1 R70#4.1 R70#5.1 R70#6.1 R70#7.1 R70#8.1 R70#9.1 R71.1 R71#2.1 R71#3.1 R71#4.1 R71#5.1 R71#6.1 R71#7.1 R71#8.1 R71#9.1 R76.1 R76#2.1 R76#3.1 R76#4.1 R76#5.1 R76#6.1 R76#7.1 R76#8.1 R76#9.1 R77.1 R77#2.1 R77#3.1 R77#4.1 R77#5.1 R77#6.1 R77#7.1 R77#8.1 R77#9.1 R78.1 R78#2.1 R78#3.1 R78#4.1 R78#5.1 R78#6.1 R78#7.1 R78#8.1 R78#9.1 R79.1 R79#2.1 R79#3.1 R79#4.1 R79#5.1 R79#6.1 R79#7.1 R79#8.1 R79#9.1 U1.20 U1#2.20 U1#3.20 U1#4.20 U1#5.20 U1#6.20 U1#7.20 U1#8.20 U1#9.20
/ADC/AV11_MCU: R75.1 R75#2.1 R75#3.1 R75#4.1 R75#5.1 R75#6.1 R75#7.1 R75#8.1 R75#9.1 R79.2 R79#2.2 R79#3.2 R79#4.2 R79#5.2 R79#6.2 R79#7.2 R79#8.2 R79#9.2 TP1.1 TP1#2.1 TP1#3.1 TP1#4.1 TP1#5.1 TP1#6.1 TP1#7.1 TP1#8.1 TP1#9.1
/AV1: R37.1 R37#2.1 R37#3.1 R37#4.1 R37#5.1 R37#6.1 R37#7.1 R37#8.1 R37#9.1 RN4.4 RN4#2.4 RN4#3.4 RN4#4.4 RN4#5.4 RN4#6.4 RN4#7.4 RN4#8.4 RN4#9.4 U3.27 U3#2.27 U3#3.27 U3#4.27 U3#5.27 U3#6.27 U3#7.27 U3#8.27 U3#9.27
/AV1_MCU: R35.1 R35#2.1 R35#3.1 R35#4.1 R35#5.1 R35#6.1 R35#7.1 R35#8.1 R35#9.1 R46.2 R46#2.2 R46#3.2 R46#4.2 R46#5.2 R46#6.2 R46#7.2 R46#8.2 R46#9.2 U1.15 U1#2.15 U1#3.15 U1#4.15 U1#5.15 U1#6.15 U1#7.15 U1#8.15 U1#9.15
/AV2: R31.1 R31#2.1 R31#3.1 R31#4.1 R31#5.1 R31#6.1 R31#7.1 R31#8.1 R31#9.1 RN4.2 RN4#2.2 RN4#3.2 RN4#4.2 RN4#5.2 RN4#6.2 RN4#7.2 RN4#8.2 RN4#9.2 U3.26 U3#2.26 U3#3.26 U3#4.26 U3#5.26 U3#6.26 U3#7.26 U3#8.26 U3#9.26
